# Altium PCB V1_2.PcbDoc (part 3 of 3)
Units mm, origin at the board's own origin, x right, y up, seen from the top; angles counter-clockwise.
Board outline 100 x 60 mm, 4 copper layers (Component Side, GND Layer, Power Layer, Bottom Layer), stack 1.596 mm thick; 194 components, 123 nets, 871 pads, 789 vias.
Unrouted connection lines stored in the file: 3.
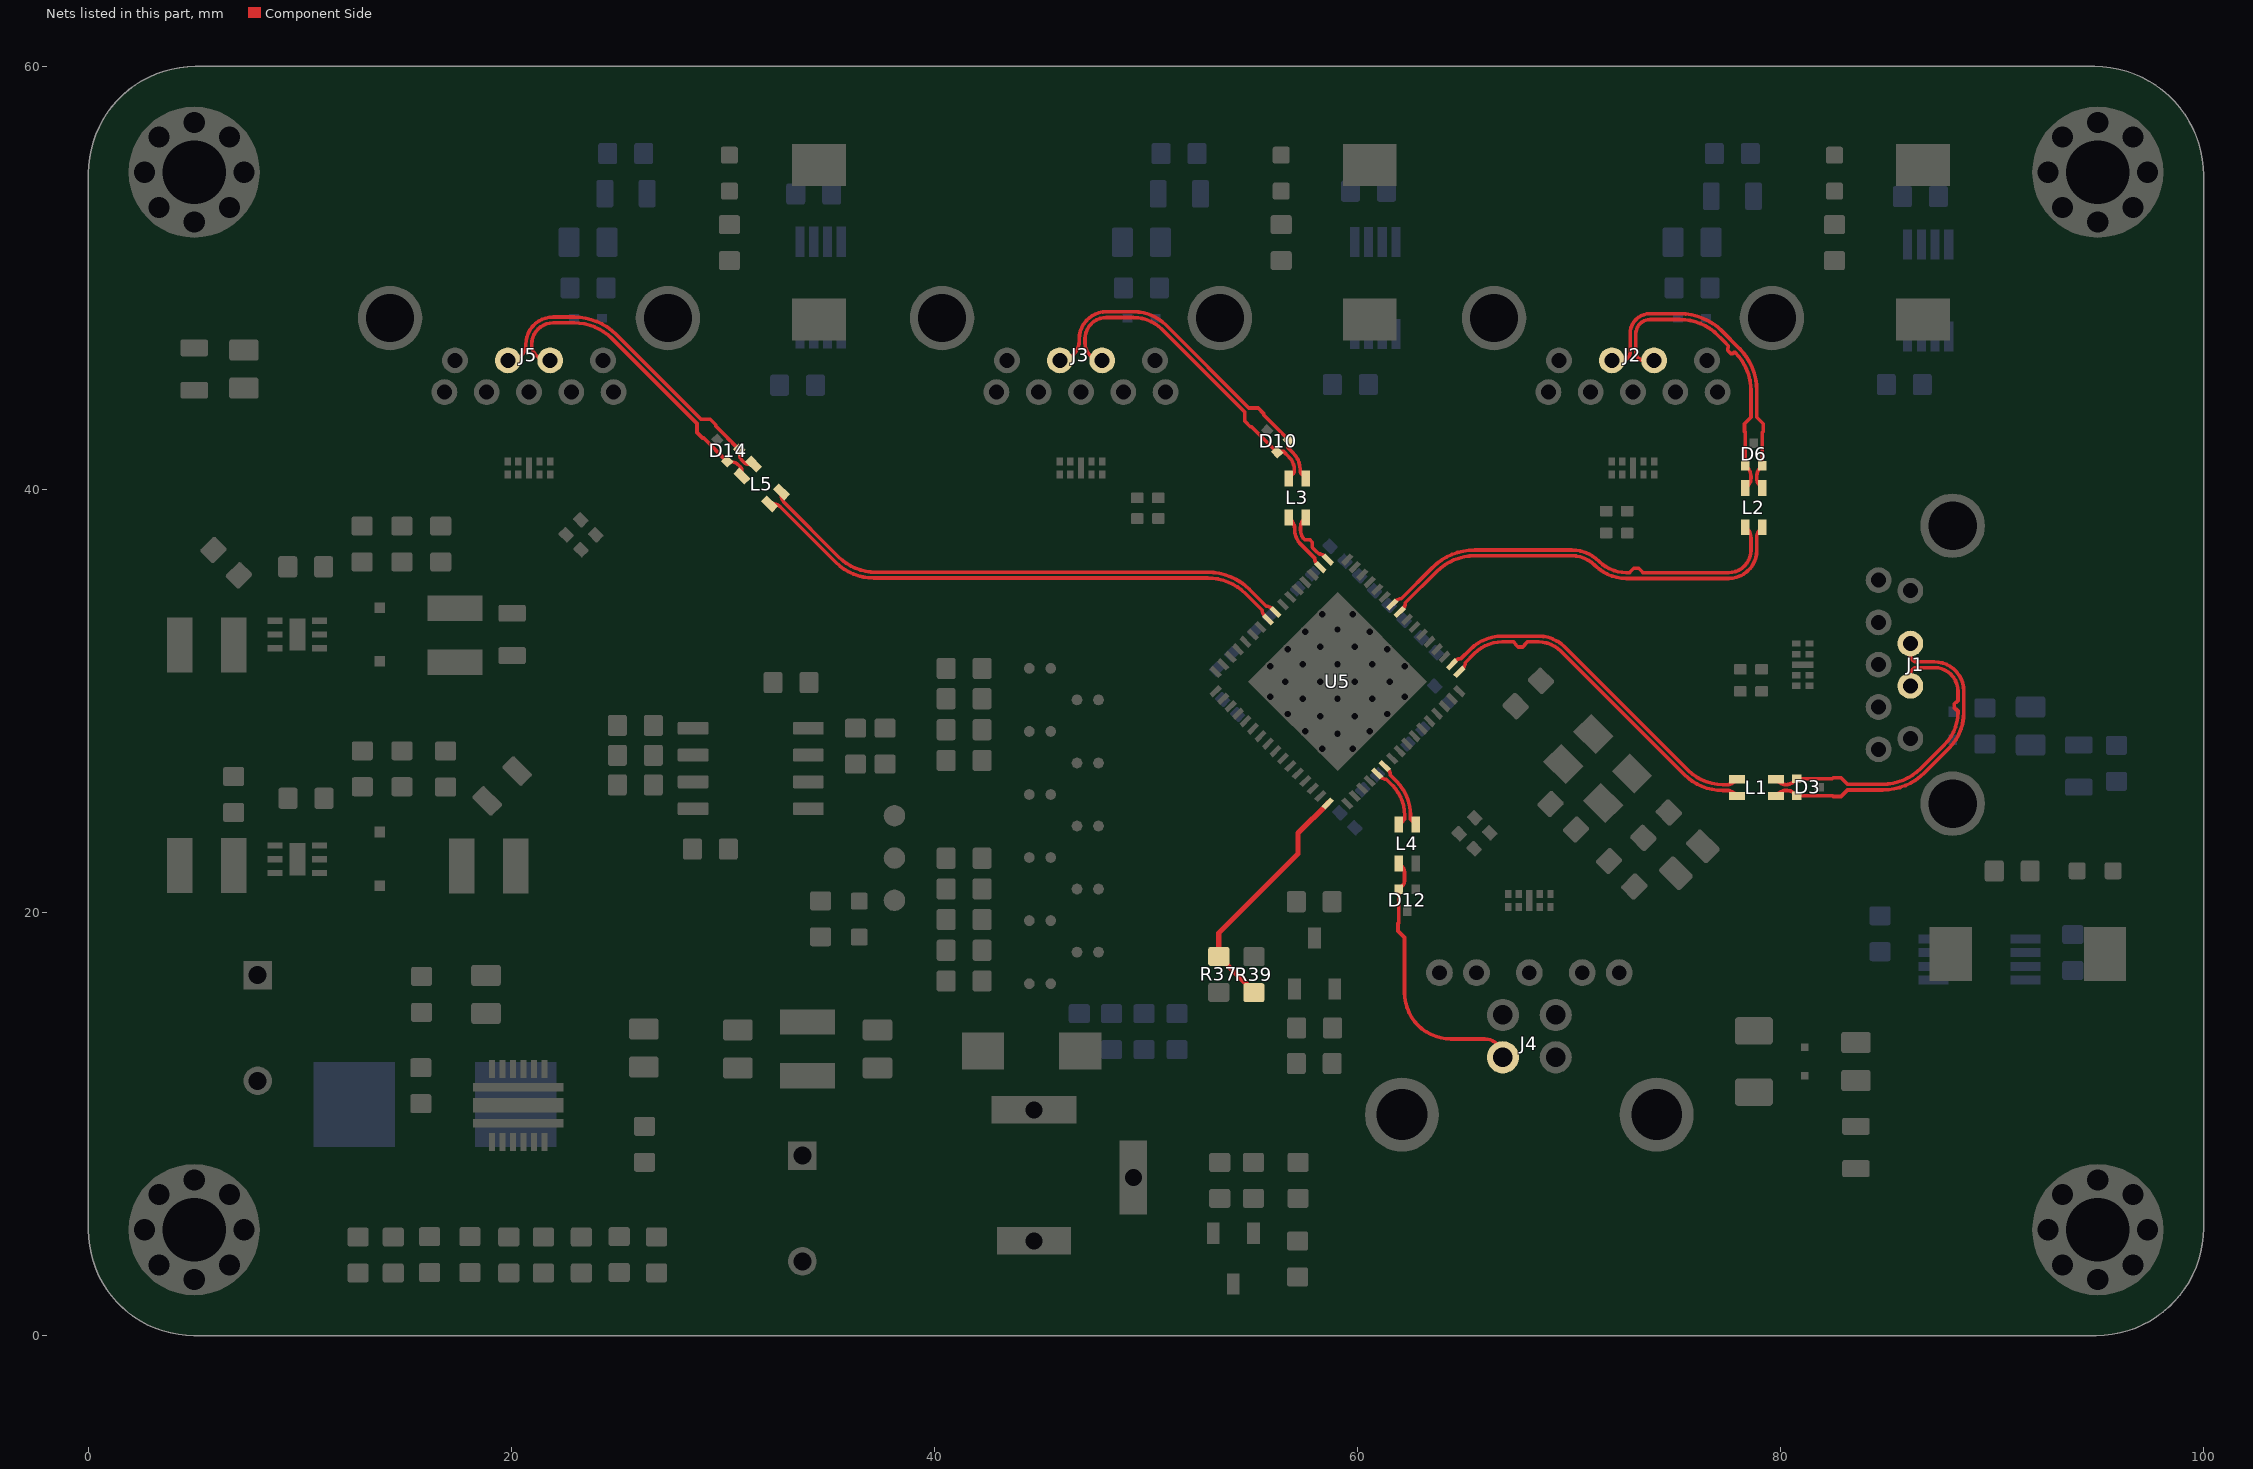
[diagram p5: the nets of this part, all layers, seen from the top]

## Via types
v1: diameter 0.508, hole 0.305, Component Side to Bottom Layer, tented both sides, 788 vias
v2: diameter 0.508, hole 0.305, Component Side to Bottom Layer, 1 vias

## Nets (pads, with @x,y where several pads share a name; then routed paths per layer and width w, separated by ;. In a path a pad name is that pad's centre, name@x,y a point inside that pad or via, vN(x,y) a via of type N, cw(c..) or ccw(c..) an arc to the next point about the centre after c; other vN are vias at no path point) (continued)
USBDP_A_P: D12.2 J4.3 L4.1 | length 12.8
  Component Side w0.173: L4.1@61.957,22.316 62.127,22.146 cw(c61.903,21.922) 62.22,21.922 62.22,21.489 cw(c61.912,21.489) 62.13,21.272 D12.2@61.957,21.099 61.957,19.529 61.915,19.487 61.915,19.121 62.22,18.816 62.22,16.222 ccw(c64.424,16.222) 64.424,14.018 66.01,14.018 cw(c66.01,13.155) J4.3@66.873,13.155
USBDP_N: L4.3 U5.54 | length 3.3
  Component Side w0.173: U5.54@61.282,26.924 61.442,26.764 cw(c61.17,26.491) 61.555,26.491 61.84,26.206 cw(c60.237,24.603) 62.504,24.603 62.504,24.406 62.658,24.252 62.671,24.252 L4.3@62.757,24.166
USBDP_P: L4.4 U5.53 | length 3.1
  Component Side w0.173: U5.53@60.929,26.57 61.089,26.41 ccw(c61.361,26.683) 61.361,26.297 61.646,26.012 cw(c60.237,24.603) 62.23,24.603 62.23,24.406 62.099,24.275 cw(c62.043,24.331) 62.043,24.252 L4.4@61.957,24.166
USBHP1_N: L1.3 U5.2 | length 16.7
  Component Side w0.173: U5.2@64.464,31.732 64.625,31.893 cw(c64.897,31.62) 64.897,32.006 65.33,32.438 cw(c66.848,30.92) 66.848,33.067 68.562,33.067 cw(c68.562,31.313) 69.803,32.553 75.637,26.719 ccw(c77.263,28.345) 77.263,26.045 77.47,26.045 ccw(c77.47,26.55) 77.827,26.193 L1.3@77.942,26.308
USBHP1_P: L1.4 U5.1 | length 16.8
  Component Side w0.173: U5.1@64.818,31.379 64.978,31.539 ccw(c64.706,31.812) 65.091,31.812 65.524,32.244 cw(c66.848,30.92) 66.848,32.793 67.061,32.793 67.381,32.793 67.488,32.686 67.488,32.66 67.595,32.553 67.808,32.553 67.915,32.66 67.915,32.686 68.021,32.793 68.199,32.793 68.562,32.793 cw(c68.562,31.313) 69.609,32.359 75.443,26.525 ccw(c77.263,28.345) 77.263,25.771 77.47,25.771 cw(c77.47,25.266) 77.827,25.623 L1.4@77.942,25.508
USBHP2_N: L2.3 U5.10 | length 20.1
  Component Side w0.173: U5.10@61.636,34.561 U5.10@61.796,34.721 ; U5.10@61.797,34.721 cw(c62.069,34.449) 62.069,34.834 63.551,36.316 cw(c65.541,34.326) 65.541,37.14 70.123,37.14 cw(c70.123,35.302) 71.423,36.602 ccw(c72.712,37.891) 72.712,36.068 72.859,36.068 72.945,36.154 73.062,36.271 73.296,36.271 73.413,36.154 73.499,36.068 73.914,36.068 77.543,36.068 ccw(c77.543,37.128) 78.603,37.128 78.603,37.719 ccw(c78.038,37.719) 78.437,38.118 L2.3@78.34,38.216
USBHP2_P: L2.4 U5.9 | length 20.2
  Component Side w0.173: U5.9@61.989,34.207 62.15,34.368 ccw(c61.877,34.64) 62.263,34.64 63.745,36.122 cw(c65.541,34.326) 65.541,36.866 70.123,36.866 cw(c70.123,35.302) 71.229,36.408 ccw(c72.712,37.891) 72.712,35.794 77.543,35.794 ccw(c77.543,37.128) 78.877,37.128 78.877,37.719 cw(c79.442,37.719) 79.043,38.118 L2.4@79.14,38.216
USBHP3_N: L3.3 U5.18 | length 2.9
  Component Side w0.173: L3.3@56.75,38.677 56.836,38.591 cw(c56.372,38.126) 57.029,38.126 57.029,38.1 ccw(c57.989,38.1) 57.31,37.421 57.969,36.762 ccw(c58.355,36.762) 58.082,36.489 U5.18@58.242,36.329
USBHP3_P: L3.4 U5.17 | length 2.8
  Component Side w0.173: L3.4@57.55,38.677 57.464,38.591 ccw(c57.851,38.203) 57.303,38.203 57.303,38.1 ccw(c57.989,38.1) 57.504,37.615 57.601,37.615 57.617,37.631 57.739,37.631 57.861,37.509 57.861,37.386 57.858,37.383 57.858,37.261 58.041,37.078 58.163,36.956 cw(c58.163,36.571) 58.436,36.843 U5.17@58.596,36.683
USBHP4_N: L5.3 U5.25 | length 25.7
  Component Side w0.173: L5.3@32.196,39.322 32.342,39.322 cw(c32.342,38.778) 32.727,39.163 35.331,36.558 ccw(c37.128,38.354) 37.128,35.814 52.914,35.814 cw(c52.914,33.274) 54.71,35.07 55.494,34.287 ccw(c55.879,34.287) 55.607,34.014 U5.25@55.767,33.854
USBHP4_P: L5.4 U5.24 | length 25.7
  Component Side w0.173: L5.4@32.761,39.888 32.761,39.741 ccw(c33.305,39.741) 32.92,39.357 35.455,36.822 ccw(c37.227,38.594) 37.227,36.088 52.914,36.088 cw(c52.914,33.274) 54.904,35.264 55.688,34.481 cw(c55.688,34.095) 55.96,34.368 U5.24@56.121,34.207
USBUP1_A_N: D3.1 J1.2 L1.2 | length 15.5
  Component Side w0.173: L1.2@79.792,26.308 79.907,26.193 ccw(c80.264,26.55) 80.264,26.045 ccw(c80.264,26.591) 80.65,26.205 D3.1@80.772,26.327 82.452,26.327 82.494,26.369 82.86,26.369 83.165,26.064 84.829,26.064 ccw(c84.829,28.604) 86.625,26.808 87.763,27.946 ccw(c86.246,29.464) 88.392,29.464 88.392,29.527 88.323,29.596 88.283,29.596 88.214,29.665 88.214,29.872 88.283,29.941 88.323,29.941 88.392,30.011 88.392,30.287 88.392,30.46 ccw(c87.273,30.46) 87.273,31.579 86.459,31.579 ccw(c86.459,31.258) 86.138,31.258 J1.2@86.138,30.716
USBUP1_A_P: D3.2 J1.3 L1.1 | length 16.1
  Component Side w0.173: L1.1@79.792,25.508 79.907,25.623 cw(c80.264,25.266) 80.264,25.771 80.305,25.771 cw(c80.305,25.233) 80.686,25.613 D3.2@80.772,25.527 82.452,25.527 82.494,25.485 82.86,25.485 83.165,25.79 84.829,25.79 ccw(c84.829,28.604) 86.819,26.614 87.957,27.752 ccw(c86.246,29.464) 88.666,29.464 88.666,30.46 ccw(c87.273,30.46) 87.273,31.853 86.459,31.853 cw(c86.459,32.174) 86.138,32.174 J1.3@86.138,32.716
USBUP2_A_N: D6.1 J2.2 L2.2 | length 14.7
  Component Side w0.173: J2.2@74.025,46.105 73.539,46.105 cw(c73.539,46.482) 73.162,46.482 73.162,47.367 cw(c73.834,47.367) 73.834,48.039 75.242,48.039 cw(c75.242,45.499) 77.038,47.295 77.216,47.117 77.338,46.995 77.534,46.799 77.534,46.702 77.505,46.674 77.505,46.576 77.652,46.429 77.75,46.429 77.794,46.474 77.859,46.474 cw(c76.063,44.678) 78.603,44.678 78.603,43.414 78.298,43.109 78.298,42.743 78.34,42.701 D6.1@78.34,41.131 78.426,41.045 cw(c78,40.619) 78.603,40.619 78.603,40.527 cw(c78.123,40.527) 78.462,40.188 L2.2@78.34,40.066
USBUP2_A_P: D6.2 J2.3 L2.1 | length 15.4
  Component Side w0.173: J2.3@72.025,46.105 72.511,46.105 ccw(c72.511,46.482) 72.888,46.482 72.888,47.367 cw(c73.834,47.367) 73.834,48.313 75.242,48.313 cw(c75.242,45.499) 77.232,47.489 78.053,46.668 cw(c76.063,44.678) 78.877,44.678 78.877,43.414 79.182,43.109 79.182,42.743 79.14,42.701 D6.2@79.14,41.131 79.054,41.045 ccw(c79.48,40.619) 78.877,40.619 78.877,40.527 ccw(c79.357,40.527) 79.018,40.188 L2.1@79.14,40.066
USBUP3_A_N: D10.1 J3.2 L3.2 | length 15.8
  Component Side w0.173: J3.2@47.927,46.105 cw(c47.927,46.914) 47.117,46.914 47.117,47.117 cw(c48.133,47.117) 48.133,48.133 49.403,48.133 cw(c49.403,46.214) 50.76,47.571 54.676,43.655 54.676,43.231 54.935,42.972 54.987,42.972 D10.1@56.195,41.764 56.272,41.764 ccw(c56.272,41.874) 56.35,41.796 56.502,41.796 56.769,41.529 cw(c56.18,40.94) 57.013,40.94 57.013,40.894 cw(c56.762,40.894) 56.939,40.717 L3.2@56.75,40.527
USBUP3_A_P: D10.2 J3.3 L3.1 | length 16.8
  Component Side w0.173: J3.3@45.926,46.105 ccw(c45.926,47.021) 46.843,47.021 46.843,47.117 cw(c48.133,47.117) 48.133,48.407 49.403,48.407 cw(c49.403,46.214) 50.954,47.765 54.863,43.856 55.301,43.856 55.56,43.597 55.56,43.531 D10.2@56.761,42.33 56.761,42.207 ccw(c56.919,42.05) 56.696,42.05 56.696,41.99 56.963,41.723 cw(c56.18,40.94) 57.287,40.94 57.287,40.894 ccw(c57.538,40.894) 57.361,40.717 L3.1@57.55,40.527
USBUP4_A_N: D14.1 J5.2 L5.2 | length 15.1
  Component Side w0.173: J5.2@21.828,46.105 21.713,46.105 cw(c21.713,46.863) 20.955,46.863 cw(c21.971,46.863) 21.971,47.879 22.958,47.879 cw(c22.958,45.339) 24.754,47.135 28.768,43.121 28.768,42.69 29.027,42.431 29.086,42.431 D14.1@30.195,41.323 30.317,41.323 cw(c30.317,40.721) 30.743,41.147 30.796,41.093 cw(c30.577,40.873) 30.887,40.873 L5.2@30.887,40.63
USBUP4_A_P: D14.2 J5.3 L5.1 | length 15.8
  Component Side w0.173: J5.3@19.828,46.105 19.923,46.105 ccw(c19.923,46.863) 20.681,46.863 cw(c21.971,46.863) 21.971,48.153 22.958,48.153 cw(c22.958,45.339) 24.948,47.329 28.962,43.315 29.393,43.315 29.652,43.056 29.652,42.997 D14.2@30.76,41.889 30.76,41.767 ccw(c31.363,41.767) 30.937,41.341 30.99,41.287 ccw(c31.21,41.507) 31.21,41.196 L5.1@31.453,41.196
VBUSDET: R37.2 R39.1 U5.48 | length 11.8
  Component Side w0.254: R39.1@55.1,16.211 55.1,16.268 R37.2@53.441,17.927 53.441,19.029 57.188,22.777 57.188,23.749 U5.48@58.595,25.156
pads on no net: C1.0 C2.0 C3.0 C4.0 C5.0 C6.0 C8.0 C9.0 C10.0 C11.0 C12.0 C13.0 C14.0 C15.0 C16.0 C18.0 C19.0 C20.0 C21.0 C22.0 C23.0 C24.0 C26.0 C27.0 C28.0 C29.0 C30.0 C31.0 C32.0 C34.0 C35.0 C36.0 C37.0 C38.0 C39.0 C40.0 C41.0 C42.0 C43.0 C44.0 C45.0 C46.0 C47.0 C48.0 C49.0 C50.0 C51.0 C52.0 C54.0 C55.0 C57.0 C60.0 C61.0 C62.0 C63.0 C64.0 C65.0 C67.0 C68.0 C69.0 C70.0 C71.0 C72.0 C73.0 C75.0 C76.0 C78.0 F1.0 FB1.0 FB2.0 FB3.0 FB4.0 FB5.0 FB6.0 FB7.0 FB8.0 LED1.0 LED2.0 LED3.0 LED4.0 LED7.0 R1.0 R2.0 R3.0 R4.0 R5.0 R6.0 R7.0 R8.0 R9.0 R10.0 R11.0 R12.0 R13.0 R14.0 R15.0 R16.0 R17.0 R18.0 R20.0 R21.0 R22.0 R23.0 R24.0 R25.0 R26.0 R27.0 R28.0 R29.0 R30.0 R31.0 R32.0 R33.0 R34.0 R35.0 R36.0 R37.0 R38.0 R39.0 R40.0 R41.0 R42.0 R43.0 U5.49 U5.60 U5.61 U7.3 U7.4 U7.5 Y1.1

## Polygon pours and split planes (outlines as drawn)
3_3V on Power Layer "Top Layer-No Net" (solid, remove dead copper, pour order 14): 9.017,26.543 20.1,26.542 23.591,23.05 73.215,23.05 75.946,20.32 75.946,14.541 74.231,12.827 12.636,12.827 9.017,16.447
NetC45_2 on Power Layer "Top Layer-No Net" (solid, remove dead copper, pour order 108): 19.05,28.13 19.487,28.565 24.629,28.565 28.556,24.638 46.219,24.638 59.195,37.614 60.296,37.614 66.04,31.871 66.04,29.236 61.379,24.575 59.154,22.349 20.897,22.349 19.053,24.194
NetC37_2 on Power Layer "Top Layer-No Net" (solid, remove dead copper, pour order 4): 19.05,29.4 19.05,34.544 23.804,39.298 58.864,39.298 58.864,37.773 45.984,24.892 28.956,24.892 24.892,28.956 19.367,28.956
P5V on Power Layer "Top Layer-No Net" (solid, remove dead copper, pour order 46): 0.762,0.889 0.762,58.801 98.806,58.801 98.806,0.889
GND on Power Layer "Top Layer-No Net" (solid, remove dead copper, pour order 44): 55.118,32.004 57.948,34.834 60.094,34.834 62.992,31.936 62.992,29.866 60.05,26.924 58.039,26.924 55.118,29.845
GND on Component Side "Top Layer-No Net" (solid, remove dead copper, pour order 122): 79.612,24.842 74.231,19.461 74.231,10.604 62.188,10.604 60.281,12.511 60.281,25.915 66.335,31.969 71.483,31.969
no net on Component Side "Top Layer-No Net" (solid, remove dead copper, pour order 120): 76.342,24.474
no net on Component Side "Top Layer-No Net" (solid, remove dead copper, pour order 118): 88.138,25.146
GND on Component Side "Top Layer-No Net" (solid, remove dead copper, pour order 116): 88.138,38.286 90.868,35.555 90.868,14.577 90.868,9.271 96.393,9.271 99.123,12.001 99.123,44.958 85.281,58.801 81.788,58.801
no net on Component Side "Top Layer-No Net" (solid, remove dead copper, pour order 112): 89.075,48.26
no net on Component Side "Top Layer-No Net" (solid, remove dead copper, pour order 110): 88.138,25.146
GND on Component Side "Top Layer-No Net" (solid, remove dead copper, pour order 106): 17 vertices, not listed, extent 0.762,39.072 90.742,58.801
no net on Component Side "Top Layer-No Net" (solid, remove dead copper, pour order 102): 14.258,48.105
no net on Component Side "Top Layer-No Net" (solid, remove dead copper, pour order 100): 14.258,48.105
GND on Component Side "Component Side-GND" (solid, pour order 98): 339 vertices, not listed, extent 78.076,26.374 85.98,32.473
GND on Component Side "Component Side-GND 1" (solid, pour order 96): 289 vertices, not listed, extent 18.486,39.501 32.582,48.974
GND on Component Side "Component Side-GND 2" (solid, pour order 94): 296 vertices, not listed, extent 44.584,39.43 58.472,49.228
GND on Component Side "Component Side-GND 3" (solid, pour order 92): 321 vertices, not listed, extent 70.683,38.968 80.062,49.131
GND on Component Side "Component Side-GND 4" (solid, pour order 90): 321 vertices, not listed, extent 70.683,38.968 80.062,49.131
GND on Component Side "Component Side-GND 5" (solid, pour order 88): 327 vertices, not listed, extent 78.695,24.586 89.487,34.058
GND on Component Side "Component Side-GND 6" (solid, pour order 86): 124 vertices, not listed, extent 31.067,32.834 57.14,41.017
GND on Component Side "Component Side-GND 7" (solid, pour order 84): 86 vertices, not listed, extent 55.828,35.31 59.615,39.775
GND on Component Side "Component Side-GND 8" (solid, pour order 82): 205 vertices, not listed, extent 60.616,33.188 80.062,39.313
GND on Component Side "Component Side-GND 9" (solid, pour order 80): 181 vertices, not listed, extent 63.445,24.586 79.039,33.887
GND on Component Side "Component Side-GND 10" (solid, pour order 76): 249 vertices, not listed, extent 61.035,11.67 68.358,23.413
GND on Component Side "Component Side-GND 11" (solid, pour order 74): 77 vertices, not listed, extent 63.092,25.344 71.408,30.772
GND on Component Side "Component Side-GND 12" (solid, pour order 72): 237 vertices, not listed, extent 22.198,32.127 56.433,38.941
GND on Component Side "Component Side-GND 13" (solid, pour order 70): 238 vertices, not listed, extent 22.198,32.127 56.433,38.941
GND on Component Side "Component Side-GND 14" (solid, pour order 68): 383 vertices, not listed, extent 20.456,36.775 26.17,45.947
GND on Component Side "Component Side-GND 15" (solid, pour order 66): 257 vertices, not listed, extent 49.555,34.602 58.908,40.579
GND on Component Side "Component Side-GND 16" (solid, pour order 64): 257 vertices, not listed, extent 49.555,34.602 58.908,40.579
GND on Component Side "Component Side-GND 17" (solid, pour order 62): 405 vertices, not listed, extent 46.554,37.651 52.269,45.947
GND on Component Side "Component Side-GND 18" (solid, pour order 60): 405 vertices, not listed, extent 46.554,37.651 52.269,45.947
GND on Component Side "Component Side-GND 19" (solid, pour order 58): 270 vertices, not listed, extent 59.909,33.895 72.781,39.955
GND on Component Side "Component Side-GND 20" (solid, pour order 56): 270 vertices, not listed, extent 59.909,33.895 72.781,39.955
GND on Component Side "Component Side-GND 21" (solid, pour order 54): 370 vertices, not listed, extent 71.728,36.965 78.367,45.947
GND on Component Side "Component Side-GND 22" (solid, pour order 52): 370 vertices, not listed, extent 71.728,36.965 78.367,45.947
GND on Component Side "Component Side-GND 23" (solid, pour order 50): 315 vertices, not listed, extent 62.738,29.476 79.129,35.189
GND on Component Side "Component Side-GND 24" (solid, pour order 48): 196 vertices, not listed, extent 60.616,22.639 66.631,28.651
GND on Component Side "Component Side-GND 25" (solid, pour order 40): 414 vertices, not listed, extent 62.505,15.786 68.495,24.855
GND on Component Side "Component Side-GND 26" (solid, pour order 38): 312 vertices, not listed, extent 41.584,33.542 57.847,45.947
GND on Component Side "Component Side-GND 27" (solid, pour order 36): 306 vertices, not listed, extent 58.849,34.956 73.397,45.947
GND on Component Side "Component Side-GND 28" (solid, pour order 34): 333 vertices, not listed, extent 61.677,31.306 85.98,37.058
GND on Component Side "Component Side-GND 29" (solid, pour order 32): 290 vertices, not listed, extent 61.677,15.786 73.741,29.712
GND on Component Side "Component Side-GND 30" (solid, pour order 28): 312 vertices, not listed, extent 41.584,33.542 57.847,45.947
GND on Component Side "Component Side-GND 31" (solid, pour order 26): 337 vertices, not listed, extent 15.486,31.066 55.372,45.947
GND on Component Side "Top Layer-No Net" (solid, remove dead copper, pour order 20): 14.258,48.105 14.258,41.955 23.701,32.512 63.213,32.512 64.77,30.955 69.861,30.955 76.342,24.474 87.735,24.474 89.578,26.317 89.578,49.784 15.937,49.784
no net on Component Side "Top Layer-No Net" (solid, remove dead copper, pour order 16): 14.412,50.165
GND on GND Layer "GND_L02_P008" (solid, remove dead copper, pour order 8): 0,0 0,60 100,60 100,0
GND on Bottom Layer "Top Layer-No Net" (solid, remove dead copper, pour order 10): 0,0 0,60 100,60 100,0

## Keep-outs
Keep-Out Layer:
  the board outline again, w0.254

## Other copper
Component Side:
  region: 14.148,28.641
  region net P5V: 53.645,4.381 53.074,3.81 51.88,3.81 50.673,2.603 50.673,1.079 50.292,0.699 48.97,0.699 48.652,1.016 48.652,4.012 49.721,5.08 51.088,5.08 51.533,5.524 53.467,5.524 53.645,5.334
  region net 5VBus: 52.642,1.333 52.768,1.206 71.62,1.206 77.261,6.848 84.217,6.848 84.806,7.437 84.806,8.89 75.709,8.89 74.439,7.62 62.23,7.62 57.784,3.174 52.859,3.174 52.642,2.956
  region net 5VBus: 57.658,1.841
  region net GND: 89.578,35.555 89.919,35.896 90.528,35.896 89.365,37.059
  region net GND: 89.344,35.58
  region net GND: 89.309,35.841
  region net GND: 88.957,35.496
  region net GND: 38.397,15.729 36.512,17.614 35.851,17.614 32.42,21.045 30.36,21.045 28.891,22.513 28.891,23.911 26.591,23.911 25.795,23.114 26.607,22.302 26.607,15.67 27.735,14.541 37.056,14.541
  region net GND: 33.416,18.85
  region: 34.798,18.789
  region net GND: 23.554,30.919 23.554,24.836 22.744,24.026 28.1,18.669 32.11,18.669 25.458,25.321 25.458,29.508 25.795,29.845 25.892,29.748 32.622,29.748 32.816,29.942 32.816,31.473 24.108,31.473
  region net GND: 28.575,21.751
  region net GND: 25.59,24.736 31.491,18.835 32.72,18.835 28.556,22.999 28.586,23.029 28.586,24.904
  region net GND: 15.021,39.376 15.861,38.535 15.861,38.018 16.055,37.825 17.255,37.825 17.255,38.034 16.097,39.192
  region net GND: 0.762,34.382 0.762,39.34 1.841,40.419 1.895,40.366 10.605,40.366 10.605,39.232 9.97,38.597
  region: 0.699,34.48
  region: 14.258,48.105
  pour cut-out: 58.596,25.156 59.514,25.156 64.818,30.461 64.818,31.379 59.514,36.683 58.596,36.683 53.291,31.378 53.292,30.46
  region net NetC37_2: 19.07,32.583 19.07,29.42 19.443,29.047 22.582,29.047 22.582,32.028 22.027,32.583
  region net 1_1V: 12.414,36.983
  region net NetL8_1: 10.603,32.374 11.633,32.374 12.51,31.497 15.05,31.497 15.305,31.752 15.305,32.637 10.605,32.637
  region: 10.603,32.321
  region net 1_1V: 12.255,33.657 20.603,33.657 20.855,33.909 20.855,34.615 20.823,34.615 17.846,37.592 12.906,37.592 12.255,36.94
  region: 12.255,33.189
  region net GND: 12.446,31.025 15.554,31.025 16.034,31.505 16.034,32.637 18.636,32.637 18.636,27.578 18.161,27.103 15.548,29.716 12.255,29.716
  region net GND: 10.223,33.02 10.223,32.321 10.414,32.131 10.369,32.086 9.872,32.086
  region net GND: 8.255,32.236 8.759,31.732 9.909,31.732 10.605,31.036 10.605,28.817 10.737,28.684 11.897,29.845 12.446,29.845 12.446,31.025 11.362,32.108 10.437,32.108 9.906,32.639 8.255,32.639
  region net NetC76_1: 10.707,33.636 10.707,38.425 11.017,38.735 15.178,38.735 15.178,37.823 15.16,37.805 12.732,37.805 11.938,37.011 11.938,34.271 11.303,33.636
  region net GND: 19.897,19.618 19.897,19.581 21.101,18.377 21.101,16.358 20.32,15.577 20.911,14.986 28.81,14.986 27.559,16.237 27.559,19.571 22.943,24.187 20.913,24.187
  region net P5V: 6.263,35.728 6.087,35.552 6.087,29.212 7.131,28.168 9.198,28.168 10.369,29.339 10.369,29.925 10.369,30.927 9.779,31.517 8.53,31.517 7.917,32.131 7.917,32.766
  region net GND: 9.724,27.645
  region net GND: 9.312,27.645 11.893,30.226 16.853,30.226 18.161,28.918 18.161,27.103 16.368,27.103 15.812,27.659 15.812,28.242 15.479,28.575 11.938,28.575 10.223,26.86 10.223,26.733
  region net NetC55_1: 10.707,23.009 10.707,26.774 11.999,28.067 15.178,28.067 15.178,27.196 15.16,27.178 12.732,27.178 11.938,26.384 11.938,23.644 11.303,23.009
  region net GND: 8.806,35.687 8.806,34.975 9.525,34.255 9.525,32.747 9.613,32.747 9.913,32.447 10.182,32.716 10.223,32.716 10.223,39.099 10.16,39.163
  region net GND: 1.808,35.463 5.508,39.163 10.16,39.163 10.16,36.033 9.814,35.687 8.806,35.687 8.806,36.141 7.981,36.966 6.85,36.966 5.588,35.704 5.588,34.745
  region net GND: 0.762,25.438 0.762,34.382 2.215,35.835 4.498,35.835 5.588,34.745 5.588,28.843 7.463,26.968 7.463,26.25
  region net P5V: 8.128,35.028 8.128,34.462 8.824,33.766 8.824,33.147 8.763,33.147 8.636,33.02 8.171,33.02 7.917,32.766 7.917,31.666 7.62,31.369 6.263,31.369 6.263,33.11 6.935,33.782
  region net P5V: 6.263,31.369 6.263,35.728 7.217,36.682 7.705,36.682 8.128,36.259 8.128,33.797
  region net 3_3V: 12.254,23.047 12.254,22.884 12.573,22.565 16.764,22.565 15.834,23.495 15.694,23.495
  region net NetL6_1: 10.574,22.027 15.311,22.027 15.768,21.57 15.768,20.975 15.621,20.828 15.305,20.828
  region net GND: 0.762,13.657 0.762,25.438 2.969,27.645 6.263,27.645 6.263,25.979 5.207,24.923 5.207,15.833 6.499,14.541
  region net GND: 10.223,21.856 10.223,21.255 10.904,20.574 16.264,20.574 18.923,20.574 19.304,20.955 19.304,23.354 20.136,24.187 20.913,24.187 21.289,23.811 21.289,21.01 19.897,19.618 9.253,19.618 8.519,20.352 8.519,21.836 8.553,21.87 9.44,21.87 9.54,21.971 10.068,21.971
  region net GND: 9.842,24.6 10.223,24.219 10.223,22.479 9.913,22.479 9.872,22.52
  region net NetC45_2: 20.565,25.415 19.07,26.906 19.07,28.168 19.463,28.56 22.377,28.56 22.582,28.355 22.582,25.715 22.282,25.415
  region net 3_3V: 17.882,26.385 18.655,26.385 19.873,25.167 19.873,24.386 18.923,23.436 18.923,20.955 18.76,20.792 18.063,20.792
  region net GND: 12.319,14.732 13.316,15.729 38.397,15.729 39.306,14.82 39.306,14.208 39.046,13.947 28.287,13.947 27.887,13.548 15.061,13.547 14.282,12.769
  region net P12V: 24.447,10.961 24.447,10.289 25.592,9.144 26.193,9.144
  region net NetC65_1: 21.717,10.541 23.983,10.541 23.983,10.942 23.749,11.176 21.717,11.176
  region net 3_3V: 12.254,23.047 12.254,26.301 12.348,26.395 12.358,26.385 17.882,26.385 18.288,25.979 18.288,20.792 16.655,20.792 16.447,21.001 16.446,21.778 15.178,23.047
  region net NetL6_1: 10.574,22.027 15.305,22.027 15.305,20.828 10.955,20.828 10.574,21.209
  region net GND: 5.715,25.662 7.463,25.662 9.525,23.6 9.525,22.92 10.223,22.92 10.223,26.733 9.312,27.645 5.715,27.645
  region net P5V: 6.687,15.279 6.311,15.279 5.715,15.875 5.715,24.631 6.263,25.179 7.463,25.179 8.822,23.817 8.822,22.37 8.255,22.37 8.001,22.116 8.001,20.193 9.037,19.157
  region net P5V: 6.35,15.279
  region net P5V: 11.768,15.279 13.018,16.529 20.419,16.529 20.419,18.523 19.638,19.304 6.35,19.304 6.35,15.279
  region net GND: 12.145,3.406 11.488,4.064 11.303,4.064 11.303,3.429 10.922,3.048
  region net GND: 11.938,3.365
  region net GND: 11.525,5.228 13.081,6.784 13.081,7.62 10.795,7.62 10.668,7.747
  region net GND: 46.958,8.128 47.117,8.287 47.117,11.811 45.815,11.811 44.577,13.049 44.577,14.732 48.387,14.732 48.387,1.27 48.006,0.889 47.498,1.397 47.244,1.397
  region net GND: 27.468,3.338 28.321,4.191 28.321,6.74 29.049,7.468 30.607,5.911 30.607,3.174 29.782,2.349
  region net GND: 16.51,1.651 17.272,2.413 17.653,2.413 17.653,1.524
  region net GND: 22.702,3.406 22.606,3.311 22.606,2.403 21.854,1.651 22.204,1.301 24.13,1.301 24.765,1.301 24.765,1.458 23.983,2.24 23.983,3.325 23.902,3.406
  region net GND: 20.627,2.284 21.198,1.712 20.32,1.713
  region net GND: 20.574,2.186
  region net GND: 17.434,3.425 17.145,3.136 17.145,1.587 20.701,1.587 20.701,3.178 20.473,3.406
  region net GND: 11.303,2.975 11.303,3.429 11.43,3.556 14.858,3.556 15.012,3.403 15.012,2.387 16.002,1.397 12.573,1.397
  region net GND: 9.59,7.112 9.59,1.713 10.414,0.889 30.48,0.889 31.115,1.524 29.591,3.048 29.591,3.41 26.258,3.41 26.258,2.077 25.893,1.713 13.122,1.713 11.557,3.278 11.557,7.311
  region net GND: 18.542,7.874 17.408,6.74 9.962,6.74 7.431,9.271 2.794,9.271 0.762,11.303 0.762,14.732 13.376,14.732 14.584,13.524 14.584,10.796 15.093,10.287 18.288,10.287 18.542,10.033
  region: 6.096,10.033
  region net P12V: 28.969,9.144 28.983,9.158 31.355,9.158 33.274,7.239 35.179,7.239 36.98,9.04 46.736,9.04 46.736,11.557 45.466,11.557 44.227,12.796 44.227,14.732 40.64,14.732 39.456,13.548 31.502,13.548
  region net GND: 22.098,8.509 24.638,5.969 27.817,5.969 29.782,4.004 29.782,1.206 30.099,0.889 48.006,0.889 48.006,8.509 37.211,8.509 35.433,6.731 33.147,6.731 31.238,8.64 25.65,8.64 24.003,10.287 22.098,10.287
  region net P12V: 21.463,13.208 21.59,13.335 28.108,13.335 28.321,13.548 31.502,13.548 31.502,11.678 28.969,9.144 26.193,9.144 23.78,11.557 21.463,11.557
  region net 3_3V: 72.584,21.239 72.584,19.237 72.898,18.923 73.301,18.923 73.607,19.228 73.607,21.178 73.059,21.726
  region net NetC7_1: 86.769,22.699 88.197,22.699 89.055,21.841 89.055,20.54
  region net NetC7_1: 87.023,16.73 87.023,19.809 85.742,21.091 84.599,21.091 84.102,21.588 84.102,23.052 84.638,23.588 86.388,23.588 89.055,20.921 89.055,16.73
  region net NetC17_1: 82.042,46.736 82.042,48.164 82.9,49.022 84.201,49.022
  region net NetC17_1: 88.011,46.99 84.932,46.99 83.65,45.709 83.65,44.566 83.153,44.069 81.689,44.069 81.153,44.605 81.153,46.355 83.82,49.022 88.011,49.022
  region net NetC25_1: 55.944,46.736 55.944,48.164 56.801,49.022 58.103,49.022
  region net NetC25_1: 61.913,46.99 58.833,46.99 57.552,45.709 57.552,44.566 57.055,44.069 56.066,44.069 55.18,44.955 55.18,46.48 57.722,49.022 61.913,49.022
  region net NetC33_1: 35.814,46.99 32.735,46.99 31.453,45.709 31.453,44.566 30.956,44.069 29.733,44.069 28.956,44.846 28.956,46.355 31.623,49.022 35.814,49.022
  region net NetC33_1: 29.845,46.736 29.845,48.164 30.703,49.022 32.004,49.022
  region net 1_1V: 21.289,21.928
  region net 1_1V: 21.423,22.189
  region net P5V: 39.116,7.472
  region net P5V: 43.561,13.942
  region net NetC49_2: 69.589,23.818 71.764,21.643 72.231,21.643 72.938,22.351 73.526,22.351 74.922,20.955 75.606,20.955 76.114,21.463 71.527,26.05 71.453,26.05 69.589,24.186
  region net SSRX2_A_N: 61.212,37.592
  text "Dynamix" at 77.961,4.675 h1.52
GND Layer:
  text "Dynamix" at 77.961,4.675 h1.52
  text "2018.8" at 77.961,1.905 h1.52
Power Layer:
  pour cut-out: 77.578,3.81 77.578,1.524 86.487,1.524 86.487,3.81
  region net NetC45_2: 19.032,28.13 19.032,24.214 20.897,22.349 59.154,22.349 60.237,23.433 60.237,24.861 57.388,24.861 54.5,27.749 51.11,27.749 47.046,23.685 29.053,23.685 24.173,28.565 19.487,28.565
  region net P5V: 9.571,46.528 17.526,54.483 12.192,54.483 8.255,50.546
  region net P5V: 8.763,47.117
  region net P5V: 9.017,46.99
  region net P5V: 9.652,44.958
  region net P5V: 11.557,55.88 14.478,58.801 88.9,58.801 90.551,57.15 90.551,52.578 89.98,53.627
  region net P5V: 8.566,14.548 14.224,8.89 14.224,15.113 13.97,15.367
  region net P5V: 6.858,14.478 5.715,15.621 5.715,31.057 6.662,32.004 9.4,32.004 10.541,30.863 10.541,28.067 9.017,26.543 9.017,19.431 9.779,18.669 13.589,18.669 14.478,17.78 14.478,14.986 13.97,14.478
  region net P5V: 83.297,53.308 92.964,43.641 92.964,14.725 93.338,14.351 95.758,14.351 97.663,16.256 97.663,46.327 90.523,53.467 83.668,53.467
  region net NetC7_1: 86.292,20.54 85.742,21.091 84.599,21.091 84.102,21.588 84.102,23.052 84.638,23.588 86.388,23.588 89.436,20.54
  region net NetC7_1: 87.15,22.699 88.928,22.699 90.706,24.477 91.976,24.477 91.976,22.806 89.71,20.54 89.436,20.54
  region net NetC17_1: 84.201,46.259 83.65,45.709 83.65,44.566 83.153,44.069 81.689,44.069 81.153,44.605 81.153,46.355 84.201,49.403
  region net NetC17_1: 82.042,47.117 82.042,48.895 80.264,50.673 80.264,51.943 81.935,51.943 84.201,49.677 84.201,49.403
  region net NetC25_1: 58.103,46.259 57.552,45.709 57.552,44.566 57.055,44.069 55.591,44.069 55.245,44.415 55.245,46.545 58.103,49.403
  region net NetC25_1: 55.944,47.117 55.944,48.895 54.166,50.673 54.166,51.943 55.837,51.943 58.102,49.677 58.103,49.403
  region net NetC33_1: 29.845,47.117 29.845,48.895 28.067,50.673 28.067,51.943 29.738,51.943 32.004,49.677 32.004,49.403
  region net NetC33_1: 32.004,46.259 31.453,45.709 31.453,44.566 30.956,44.069 29.746,44.069 28.956,44.859 28.956,46.355 32.004,49.403
  region net P5V: 6.731,51.054 11.557,55.88 90.17,55.88 90.424,55.626 90.424,53.213 89.662,52.451 14.224,52.451 9.779,48.006
  region net P5V: 8.001,49.276
  region: 22.733,27.744
  region net P5V: 41.021,9.271
  region: 41.402,9.144
  text "Dynamix" at 77.961,4.675 h1.52
Bottom Layer:
  pour cut-out: 77.578,3.81 77.578,1.524 86.487,1.524 86.487,3.81
  region net 3_3V: 38.208,18.288 37.661,18.835 37.661,25.551 39.37,27.26 39.561,27.07 39.56,21.242 38.773,20.454 38.773,18.948 39.433,18.288
  region net 3_3V: 39.243,27.133
  region net P5V: 5.715,23.368 5.715,30.917 6.61,31.813 9.462,31.813 10.414,30.861 10.414,24.871 8.89,23.347
  region net NetC65_1: 16.828,8.89 16.034,9.684 16.034,11.907 17.082,12.954 23.495,12.954 23.876,12.573 23.876,9.271 23.495,8.89
  region net P5V: 10.541,8.89 10.541,12.827 9.017,14.351 6.731,14.351 5.715,15.367 5.715,23.368 6.753,24.406 7.831,24.406 8.89,23.347 8.89,19.737 10.085,18.542 13.695,18.542 14.351,17.886 14.351,8.89
  region net P5V: 94.444,17.705 95.876,16.273 95.876,14.676 93.336,14.676 92.828,15.184 92.828,16.581
  region net P5V: 90.923,18.232 93.917,18.232 94.444,17.705 94.444,16.327 93.082,16.327 92.828,16.581 92.828,16.962 92.535,17.255 90.923,17.255
  region net GND: 75.419,47.625 75.419,54.083 76.616,55.28 77.197,55.28 77.197,56.407 76.835,56.769 74.168,56.769 74.168,48.376 74.919,47.625
  region net GND: 49.321,47.625 49.321,54.083 50.518,55.28 51.099,55.28 51.099,56.407 50.737,56.769 48.07,56.769 48.07,48.376 48.821,47.625
  region net GND: 23.222,47.625 23.222,54.083 24.419,55.28 25,55.28 25,56.407 24.638,56.769 21.971,56.769 21.971,48.376 22.722,47.625
  region net P5V_DP1: 93.232,26.593 86.502,19.864 86.502,17.255 88.848,17.255 89.677,18.084 89.677,18.994 96.421,25.738 96.421,26.593
  region net P5V: 60.393,51.041 60.393,54.035 60.92,54.562 62.298,54.562 62.298,53.2 62.044,52.946 61.663,52.946 61.37,52.653 61.37,51.041
  region net P5V: 60.92,54.562 62.352,55.994 63.949,55.994 63.949,53.454 63.441,52.946 62.044,52.946
  region net P5V_DP3: 52.011,53.326 58.74,46.596 61.398,46.596 61.398,48.893 60.52,49.771 59.576,49.771 52.959,56.388 52.011,56.388
  region net P5V_DP2: 78.148,53.199 84.877,46.469 87.507,46.469 87.507,48.794 86.657,49.644 85.747,49.644 79.003,56.388 78.148,56.388
  region net P5V: 86.53,50.914 86.53,53.908 87.057,54.435 88.435,54.435 88.435,53.073 88.181,52.819 87.8,52.819 87.507,52.526 87.507,50.914
  region net P5V: 87.057,54.435 88.489,55.867 90.086,55.867 90.086,53.327 89.578,52.819 88.181,52.819
  region net P5V_DP4: 25.742,53.338 32.471,46.609 35.14,46.609 35.14,48.895 34.251,49.784 33.235,49.784 26.631,56.388 25.742,56.388
  region: 25.781,52.812
  region net P5V: 34.69,54.575 36.122,56.007 37.719,56.007 37.719,53.467 37.211,52.959 35.814,52.959
  region net P5V: 34.163,51.054 34.163,54.048 34.69,54.575 36.068,54.575 36.068,53.213 35.814,52.959 35.433,52.959 35.14,52.666 35.14,51.054
  text "Dynamix" at 77.961,4.675 h1.52

## Silkscreen, mask and mechanical layers (free items; w line width, h text height)
Top Overlay:
  lines w0.254: 7.741,41.085 6.094,42.732 ; 7.747,41.085 9.914,41.085 ; 22.718,23.475 21.07,25.122 ; 22.765,23.475 25.757,23.475 ; 25.757,30.77 22.765,30.77 21.118,32.418 ; 43.688,20.044 43.688,16.463 44.784,15.367 48.641,15.367 48.641,17.25 ; 43.688,22.994 43.688,19.501 46.101,17.088 48.641,17.088 48.641,20.2 ; 43.688,25.943 43.688,22.451 46.101,20.038 48.641,20.038 48.641,23.149 ; 43.688,28.892 43.688,25.4 46.101,22.987 48.641,22.987 48.641,26.098 ; 80.834,20.429 78.719,18.314 78.719,15.984 ; 97.055,46.03 94.94,48.145 94.94,50.475 ; 6.094,42.732 6.991,42.732 6.094,41.835 6.094,42.732 ; 21.07,25.122 21.968,25.122 21.07,24.225 21.07,25.122 ; 21.118,32.418 21.118,31.52 22.015,32.418 21.118,32.418 ; 78.719,15.984 78.084,16.619 79.353,16.619 78.719,15.984 ; 94.94,50.475 95.575,49.841 94.305,49.841 94.94,50.475 ; 43.688,28.349 46.101,25.936 48.641,25.936 48.641,30.149 46.271,32.519 43.688,32.519 43.688,28.349
  text "M3*4" at 95.414,48.328 h0.76 r315
  text "EMI" at 7.947,41.55 h0.76
  text "1.1V" at 22.971,31.235 h0.76
  text "4" at 46.038,30.874 h0.76
  text "3" at 44.64,29.654 h0.76
  text "2" at 46.982,28.13 h0.76
  text "BC" at 49.212,27.749 h1.02
  text "1" at 45.926,26.987 h0.76
  text "D" at 41.168,25.25 h0.76
  text "IIC" at 49.149,23.954 h1.02
  text "3.3V" at 22.924,23.939 h0.76
  text "C" at 41.168,23.757 h0.76
  text "FUSE" at 78.431,18.703 h0.76 r45
  text "6V2A" at 79.751,17.53 h0.76 r45
  text "AT" at 49.212,15.621 h1.02
  text "12V@5A" at 50.8,9.97 h1.02 r270
Bottom Overlay:
  lines w0.254: 17.018,20.985 12.558,20.985 10.91,19.337 ; 10.91,19.337 11.808,19.337 10.91,20.235 10.91,19.337
  text "5V@10A" at 16.954,21.513 h0.76
Top Solder:
  text "TUSB8041" at 85.344,43.815 h1.52
  text "USB3.0" at 88.12,41.529 h1.52
  text "HUB" at 92.438,39.243 h1.52
  text "Dynamix" at 77.961,4.675 h1.52
Mechanical 1:
  drawing of 295 lines, arcs and shapes, not listed
  text "Layer" at 1.427,99.822 h1.52
  text "Name" at 11.839,99.822 h1.52
  text "Material" at 35.709,99.822 h1.52
  text "Thickness" at 57.547,99.822 h1.52
  text "Constant" at 74.053,99.822 h1.52
  text "Board Layer Stack" at 88.527,99.822 h1.52
  text "Top Overlay" at 11.839,96.774 h1.52
  text "Top Solder" at 11.839,93.726 h1.52
  text "Solder Resist" at 35.709,93.726 h1.52
  text "0.010mm" at 57.547,93.726 h1.52
  text "3.5" at 74.053,93.726 h1.52
  text "1" at 1.427,90.678 h1.52
  text "Component Side" at 11.839,90.678 h1.52
  text "Copper" at 35.709,90.678 h1.52
  text "0.036mm" at 57.547,90.678 h1.52
  text "Dielectric 1" at 11.839,87.63 h1.52
  text "FR-4" at 35.709,87.63 h1.52
  text "0.195mm" at 57.547,87.63 h1.52
  text "4.2" at 74.053,87.63 h1.52
  text "2" at 1.427,84.582 h1.52
  text "GND Layer" at 11.839,84.582 h1.52
  text "Copper" at 35.709,84.582 h1.52
  text "0.018mm" at 57.547,84.582 h1.52
  text "Dielectric 6" at 11.839,81.534 h1.52
  text "FR-4" at 35.709,81.534 h1.52
  text "1.100mm" at 57.547,81.534 h1.52
  text "4.2" at 74.053,81.534 h1.52
  text "3" at 1.427,78.486 h1.52
  text "Power Layer" at 11.839,78.486 h1.52
  text "Copper" at 35.709,78.486 h1.52
  text "0.018mm" at 57.547,78.486 h1.52
  text "Dielectric 7" at 11.839,75.438 h1.52
  text "FR-4" at 35.709,75.438 h1.52
  text "0.195mm" at 57.547,75.438 h1.52
  text "4.2" at 74.053,75.438 h1.52
  text "4" at 1.427,72.39 h1.52
  text "Bottom Layer" at 11.839,72.39 h1.52
  text "Copper" at 35.709,72.39 h1.52
  text "0.036mm" at 57.547,72.39 h1.52
  text "Bottom Solder" at 11.839,69.342 h1.52
  text "Solder Resist" at 35.709,69.342 h1.52
  text "0.010mm" at 57.547,69.342 h1.52
  text "3.5" at 74.053,69.342 h1.52
  text "Bottom Overlay" at 11.839,66.294 h1.52
Drill Drawing:
  circle w0.254: c2.111,154.49 r0.847
  lines w0.254: 1.265,115.966 1.688,115.966 2.111,115.543 2.535,115.966 2.958,115.966 2.535,116.39 2.958,116.813 2.535,116.813 2.111,117.236 1.688,116.813 1.265,116.813 1.688,116.39 1.265,115.966 ; 1.265,119.776 1.688,119.776 1.688,119.353 2.535,119.353 2.535,119.776 2.958,119.776 2.958,120.623 2.535,120.623 2.535,121.046 1.688,121.046 1.688,120.623 1.265,120.623 1.265,119.776 ; 1.265,124.01 2.111,123.163 2.958,124.01 2.111,124.856 1.265,124.01 ; 1.265,126.973 2.111,127.396 2.958,126.973 2.535,127.82 2.958,128.666 2.111,128.243 1.265,128.666 1.688,127.82 1.265,126.973 ; 1.265,131.206 1.688,131.206 2.111,130.783 2.535,131.206 2.958,131.206 2.535,131.63 2.958,132.053 2.535,132.053 2.111,132.476 1.688,132.053 1.265,132.053 1.688,131.63 1.265,131.206 ; 1.265,134.593 1.265,135.016 1.688,135.44 1.265,135.863 1.265,136.286 1.688,136.286 2.111,135.863 2.535,136.286 2.958,136.286 2.958,135.863 2.535,135.44 2.958,135.016 2.958,134.593 2.535,134.593 2.111,135.016 1.688,134.593 1.265,134.593 ; 1.265,138.403 2.111,138.826 2.958,138.403 2.535,139.25 2.958,140.096 2.111,139.673 1.265,140.096 1.688,139.25 1.265,138.403 ; 1.265,142.213 2.958,142.213 2.958,143.906 1.265,143.906 1.265,142.213 ; 1.265,147.716 2.958,147.716 2.111,146.023 1.265,147.716 ; 1.265,149.833 2.958,149.833 2.958,151.526 1.265,151.526 1.265,149.833 ; 1.603,131.376 1.857,131.376 2.111,131.122 2.365,131.376 2.619,131.376 2.365,131.63 2.619,131.884 2.365,131.884 2.111,132.138 1.857,131.884 1.603,131.884 1.857,131.63 1.603,131.376 ; 1.603,138.742 2.111,138.996 2.619,138.742 2.365,139.25 2.619,139.758 2.111,139.504 1.603,139.758 1.857,139.25 1.603,138.742 ; 1.603,142.552 2.619,142.552 2.619,143.568 1.603,143.568 1.603,142.552 ; 1.603,147.378 2.619,147.378 2.111,146.362 1.603,147.378
  lines w0.381: -0.254,114.4 346.917,114.4 ; -0.254,156.31 346.917,156.31 ; 13.738,110.59 13.738,160.12 ; 28.72,110.59 28.72,160.12 ; 57.16,110.59 57.16,160.12 ; 70.009,110.59 70.009,160.12 ; 88.648,110.59 88.648,160.12 ; 133.846,110.59 133.846,160.12 ; 148.828,110.59 148.828,160.12 ; 167.772,110.59 167.772,160.12 ; 192.656,110.59 192.656,160.12 ; 214.342,110.59 214.342,160.12 ; 248.216,110.59 248.216,160.12 ; 282.089,110.59 282.089,160.12 ; 311.291,110.59 311.291,160.12 ; -0.254,110.59 346.917,110.59 346.917,160.12 -0.254,160.12 -0.254,110.59
  text "Symbol" at 2.032,157.453 h1.83
  text "Count" at 14.881,157.453 h1.83
  text "Hole Size" at 29.863,157.453 h1.83
  text "Plated" at 58.303,157.453 h1.83
  text "Hole Type" at 71.152,157.453 h1.83
  text "Drill Layer Pair" at 89.791,157.453 h1.83
  text "Via/Pad" at 134.989,157.453 h1.83
  text "Pad Shape" at 149.971,157.453 h1.83
  text "Template" at 168.915,157.453 h1.83
  text "Description" at 193.799,157.453 h1.83
  text "Hole Tolerance (+)" at 215.485,157.453 h1.83
  text "Hole Tolerance (-)" at 249.359,157.453 h1.83
  text "Hole Length" at 283.232,157.453 h1.83
  text "Routed Path Length" at 312.434,157.453 h1.83
  text "1" at 14.881,153.643 h1.52
  text "31.50mil (0.800mm)" at 29.863,153.643 h1.52
  text "PTH" at 58.303,153.643 h1.52
  text "Rectangle" at 71.152,153.643 h1.52
  text "Component Side - Bottom Layer" at 89.791,153.643 h1.52
  text "Pad" at 134.989,153.643 h1.52
  text "Rectangle" at 149.971,153.643 h1.52
  text "r400_130h80_350" at 168.915,153.643 h1.52
  text "137.79mil (3.500mm)" at 283.232,153.643 h1.52
  text "137.79mil (3.500mm)" at 312.434,153.643 h1.52
  text "2" at 14.881,149.833 h1.52
  text "31.50mil (0.800mm)" at 29.863,149.833 h1.52
  text "PTH" at 58.303,149.833 h1.52
  text "Rectangle" at 71.152,149.833 h1.52
  text "Component Side - Bottom Layer" at 89.791,149.833 h1.52
  text "Pad" at 134.989,149.833 h1.52
  text "Rectangle" at 149.971,149.833 h1.52
  text "r350_130h80_300" at 168.915,149.833 h1.52
  text "118.11mil (3.000mm)" at 283.232,149.833 h1.52
  text "118.11mil (3.000mm)" at 312.434,149.833 h1.52
  text "2" at 14.881,146.023 h1.52
  text "94.49mil (2.400mm)" at 29.863,146.023 h1.52
  text "PTH" at 58.303,146.023 h1.52
  text "Round" at 71.152,146.023 h1.52
  text "Component Side - Bottom Layer" at 89.791,146.023 h1.52
  text "Pad" at 134.989,146.023 h1.52
  text "Rounded" at 149.971,146.023 h1.52
  text "c350h240" at 168.915,146.023 h1.52
  text "-" at 283.232,146.023 h1.52
  text "-" at 312.434,146.023 h1.52
  text "4" at 14.881,142.213 h1.52
  text "33.47mil (0.850mm)" at 29.863,142.213 h1.52
  text "PTH" at 58.303,142.213 h1.52
  text "Round" at 71.152,142.213 h1.52
  text "Component Side - Bottom Layer" at 89.791,142.213 h1.52
  text "Pad" at 134.989,142.213 h1.52
  text "(Mixed)" at 149.971,142.213 h1.52
  text "(Mixed)" at 168.915,142.213 h1.52
  text "-" at 283.232,142.213 h1.52
  text "-" at 312.434,142.213 h1.52
  text "4" at 14.881,138.403 h1.52
  text "36.22mil (0.920mm)" at 29.863,138.403 h1.52
  text "PTH" at 58.303,138.403 h1.52
  text "Round" at 71.152,138.403 h1.52
  text "Component Side - Bottom Layer" at 89.791,138.403 h1.52
  text "Pad" at 134.989,138.403 h1.52
  text "Rounded" at 149.971,138.403 h1.52
  text "c152h92" at 168.915,138.403 h1.52
  text "-" at 283.232,138.403 h1.52
  text "-" at 312.434,138.403 h1.52
  text "4" at 14.881,134.593 h1.52
  text "118.11mil (3.000mm)" at 29.863,134.593 h1.52
  text "PTH" at 58.303,134.593 h1.52
  text "Round" at 71.152,134.593 h1.52
  text "Component Side - Bottom Layer" at 89.791,134.593 h1.52
  text "Pad" at 134.989,134.593 h1.52
  text "Rounded" at 149.971,134.593 h1.52
  text "c620h300" at 168.915,134.593 h1.52
  text "-" at 283.232,134.593 h1.52
  text "-" at 312.434,134.593 h1.52
  text "5" at 14.881,130.783 h1.52
  text "27.56mil (0.700mm)" at 29.863,130.783 h1.52
  text "PTH" at 58.303,130.783 h1.52
  text "Round" at 71.152,130.783 h1.52
  text "Component Side - Bottom Layer" at 89.791,130.783 h1.52
  text "Pad" at 134.989,130.783 h1.52
  text "Rounded" at 149.971,130.783 h1.52
  text "c127h70" at 168.915,130.783 h1.52
  text "-" at 283.232,130.783 h1.52
  text "-" at 312.434,130.783 h1.52
  text "8" at 14.881,126.973 h1.52
  text "90.00mil (2.286mm)" at 29.863,126.973 h1.52
  text "PTH" at 58.303,126.973 h1.52
  text "Round" at 71.152,126.973 h1.52
  text "Component Side - Bottom Layer" at 89.791,126.973 h1.52
  text "Pad" at 134.989,126.973 h1.52
  text "Rounded" at 149.971,126.973 h1.52
  text "c305h229" at 168.915,126.973 h1.52
  text "-" at 283.232,126.973 h1.52
  text "-" at 312.434,126.973 h1.52
  text "32" at 14.881,123.163 h1.52
  text "39.37mil (1.000mm)" at 29.863,123.163 h1.52
  text "PTH" at 58.303,123.163 h1.52
  text "Round" at 71.152,123.163 h1.52
  text "Component Side - Bottom Layer" at 89.791,123.163 h1.52
  text "Pad" at 134.989,123.163 h1.52
  text "Rounded" at 149.971,123.163 h1.52
  text "c100h100" at 168.915,123.163 h1.52
  text "-" at 283.232,123.163 h1.52
  text "-" at 312.434,123.163 h1.52
  text "36" at 14.881,119.353 h1.52
  text "28.00mil (0.711mm)" at 29.863,119.353 h1.52
  text "PTH" at 58.303,119.353 h1.52
  text "Round" at 71.152,119.353 h1.52
  text "Component Side - Bottom Layer" at 89.791,119.353 h1.52
  text "Pad" at 134.989,119.353 h1.52
  text "Rounded" at 149.971,119.353 h1.52
  text "c122h71" at 168.915,119.353 h1.52
  text "-" at 283.232,119.353 h1.52
  text "-" at 312.434,119.353 h1.52
  text "821" at 14.881,115.543 h1.52
  text "12.00mil (0.305mm)" at 29.863,115.543 h1.52
  text "PTH" at 58.303,115.543 h1.52
  text "Round" at 71.152,115.543 h1.52
  text "Component Side - Bottom Layer" at 89.791,115.543 h1.52
  text "(Mixed)" at 134.989,115.543 h1.52
  text "Rounded" at 149.971,115.543 h1.52
  text "(Mixed)" at 168.915,115.543 h1.52
  text "-" at 283.232,115.543 h1.52
  text "-" at 312.434,115.543 h1.52
  text "919 Total" at 14.881,111.733 h1.52
  text "Slot definitions :" at 2.032,108.051 h1.52
  text "Routed Path Length" at 28.262,108.051 h1.52
  text "= Calculated from tool start centre position to tool end centre position." at 56.27,108.051 h1.52
  text "Hole Length" at 28.262,105.511 h1.52
  text "= Routed Path Length + Tool Size = Slot length as defined in the PCB layout" at 45.859,105.511 h1.52

## Dimensions
5.059,54.941 to 1.333,62.547 on Mechanical 1
100,5.08 to 0,4.985 on Mechanical 1
94.848,60 to 94.92,0 on Mechanical 1

## Text inside footprints (layer, text, board x,y; h text height)
LED1: Mechanical 15 "C" at 95.477,21.671 h0.7; Mechanical 15 "A" at 93.677,21.671 h0.7
LED2: Mechanical 15 "C" at 56.692,55.557 h0.7 r90; Mechanical 15 "A" at 56.692,53.757 h0.7 r90
LED3: Mechanical 15 "C" at 82.85,55.557 h0.7 r90; Mechanical 15 "A" at 82.85,53.757 h0.7 r90
LED4: Mechanical 15 "A" at 30.603,53.757 h0.7 r90; Mechanical 15 "C" at 30.603,55.557 h0.7 r90
LED7: Mechanical 15 "C" at 36.741,20.285 h0.7 r90; Mechanical 15 "A" at 36.741,18.485 h0.7 r90